# Altium PCB Venato_PCB_v2.PcbDoc (part 1 of 2) (continued)
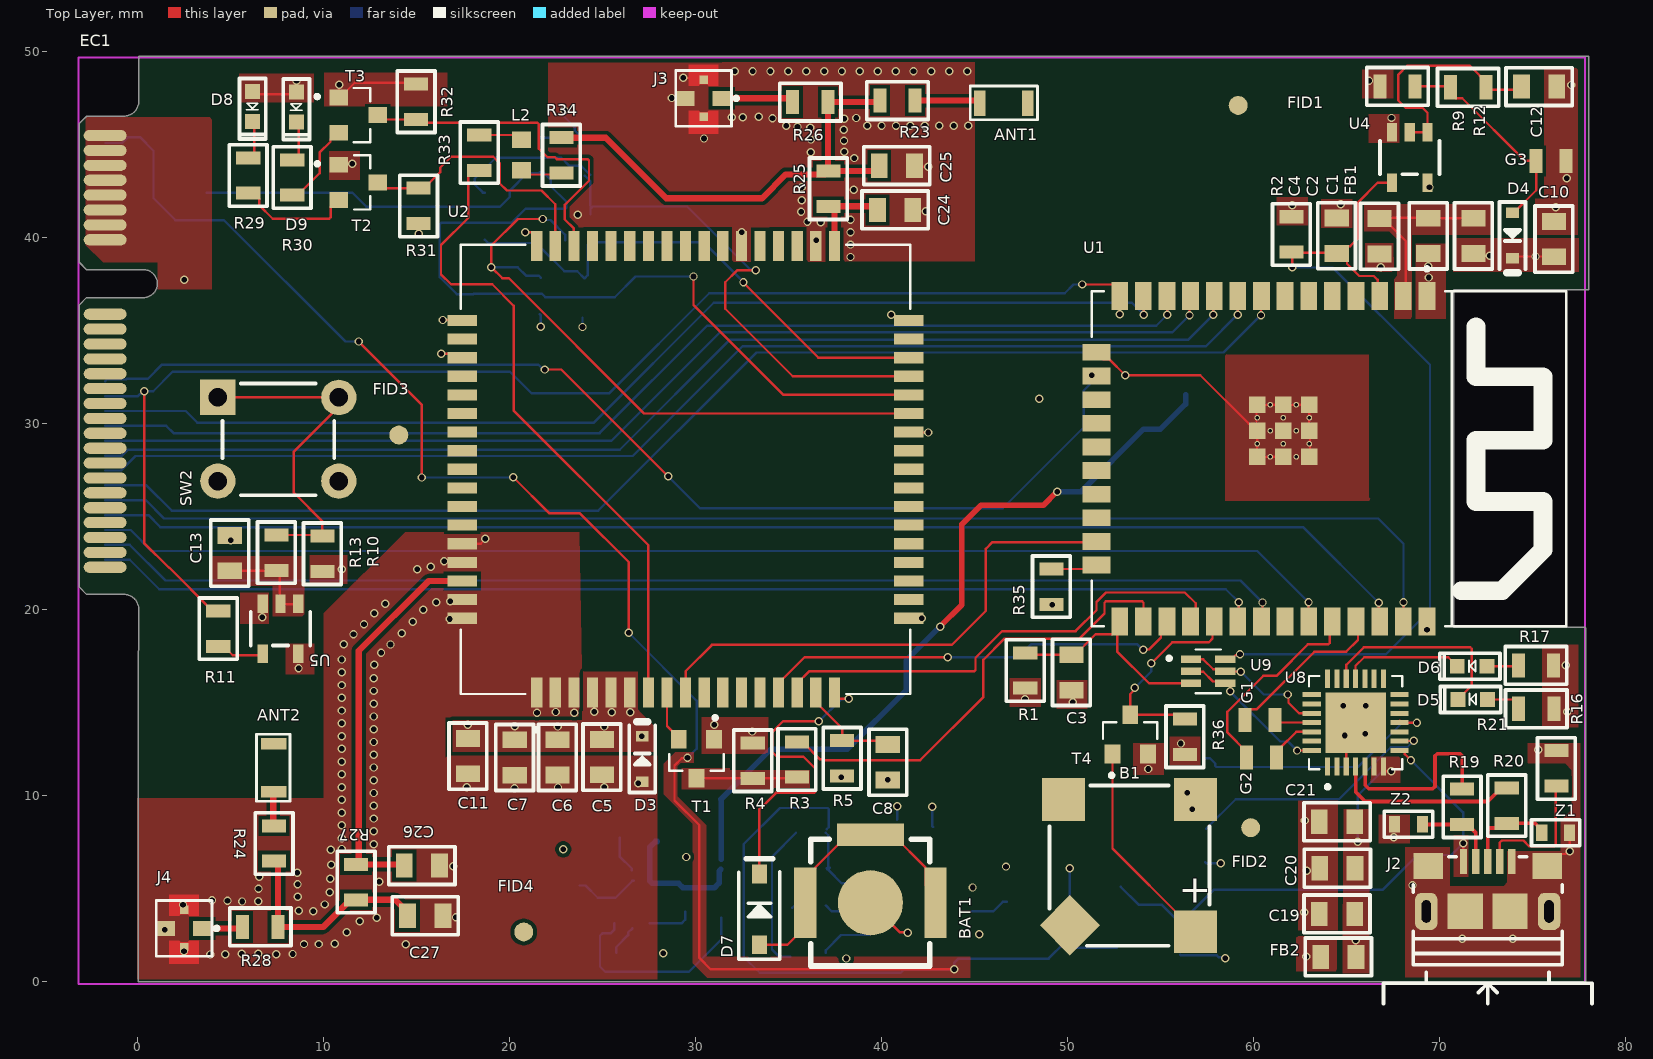
[diagram p0: Top Layer view]
## Part data (continued)
R21 R23 R24 R25 R26 R27 R28 R34: library part RC0805JR-070RL, "RC Series 0805 0.125 W 0 Ohm Jumper Surface Mount Thick Film Chip Resistor", Case Code (Imperial)=0805, Case Code (Metric)=2012, Manufacturer=Yageo, Max Operating Temperature=155°C, Max Power Dissipation=125mW, Min Operating Temperature=-55°C, Resistance=0mR, Resistance Tolerance=5%, Resistor Type="Thick Film", Supplier Part Number 1=311-0.0ARCT-ND, Temperature Coefficient=200ppm/°C, Voltage Rating=150V, Case/Package=0805, Category="Chip SMD Resistors", ComponentLink1Description=https://datasheet.ciiva.com/7941/1738694-7941861.pdf?src-supplier=Element14, ComponentLink1URL=https://datasheet.ciiva.com/7941/1738694-7941861.pdf?src-supplier=Element14, ComponentLink2Description=https://datasheet.ciiva.com/11819/0900766b8106beab-11819430.pdf?src-supplier=RSComponents, ComponentLink2URL=https://datasheet.ciiva.com/11819/0900766b8106beab-11819430.pdf?src-supplier=RSComponents, ComponentLink3Description=https://datasheet.ciiva.com/7941/1738694-7941862.pdf?src-supplier=Element14, ComponentLink3URL=https://datasheet.ciiva.com/7941/1738694-7941862.pdf?src-supplier=Element14, ComponentLink4Description=https://datasheet.ciiva.com/7941/1738694-7941863.pdf?src-supplier=Element14, ComponentLink4URL=https://datasheet.ciiva.com/7941/1738694-7941863.pdf?src-supplier=Element14, ComponentLink5Description=https://datasheet.ciiva.com/15190/getdatasheetpartid-330685-15190028.pdf?src-supplier=Verical, ComponentLink5URL=https://datasheet.ciiva.com/15190/getdatasheetpartid-330685-15190028.pdf?src-supplier=Verical, Construction=Rectangular, Contact Plating=Tin,Matte, Depth=1.25mm, Features="Moisture Resistant", Height=0.5mm, Lead Free="Lead Free", Length=2mm, Manufacturer Part Number=RC0805JR-070RL, Military Standard=Not, Number of Pins=2, Number of Terminations=2, Packaging="Tape and Reel", Power Rating=125mW, Pricing 1="1=0.10000, 10=0.03100, 25=0.02240, 50=0.01720, 100=0.01260, 250=0.00964, 500=0.00770, 1000=0.00567 (USD)", Radiation Hardening=No, REACH SVHC=Unknown, RoHS=Yes, RoHS Compliant=Yes, Series=RC, Size Code=0805, Stock 1=3244701, Supplier 1=Digi-Key, Technology="THICK FILM", Termination=SMD/SMT, Tolerance=5%, Voltage Rating (DC)=150V, Width=1.25mm
R33: library part RC0805FR-0710RL, "Res General Purpose Thick Film 0805 10 Ohm 1% 1/8W ±200ppm/°C Molded SMD Paper T/R", Case Code (Imperial)=0805, Case Code (Metric)=2012, Manufacturer=Yageo, Max Operating Temperature=155°C, Max Power Dissipation=125mW, Min Operating Temperature=-55°C, Package Quantity=1, Resistance=10R, Resistance Tolerance=1%, Resistor Type="Thick Film", Temperature Coefficient=200ppm/°C, Voltage Rating=150V, Case/Package=0805, Category="Chip SMD Resistors", ComponentLink1Description=https://datasheet.ciiva.com/11809/0900766b8106beab-11809370.pdf?src-supplier=RSComponents, ComponentLink1URL=https://datasheet.ciiva.com/11809/0900766b8106beab-11809370.pdf?src-supplier=RSComponents, ComponentLink2Description=https://datasheet.ciiva.com/46412/444164-46412859.pdf?src-supplier=Element14, ComponentLink2URL=https://datasheet.ciiva.com/46412/444164-46412859.pdf?src-supplier=Element14, ComponentLink3Description=https://datasheet.ciiva.com/46447/444164-46447565.pdf?src-supplier=Element14, ComponentLink3URL=https://datasheet.ciiva.com/46447/444164-46447565.pdf?src-supplier=Element14, ComponentLink4Description=https://datasheet.ciiva.com/2457/pyu-r-int-thick-7-2457099.pdf?src-supplier=Digi-Key, ComponentLink4URL=https://datasheet.ciiva.com/2457/pyu-r-int-thick-7-2457099.pdf?src-supplier=Digi-Key, ComponentLink5Description=https://datasheet.ciiva.com/2457/pyu-r-int-thick-7-2457100.pdf?src-supplier=Digi-Key, ComponentLink5URL=https://datasheet.ciiva.com/2457/pyu-r-int-thick-7-2457100.pdf?src-supplier=Digi-Key, ComponentLink6Description=https://datasheet.ciiva.com/2457/pyu-r-int-thick-7-2457098.pdf?src-supplier=Digi-Key, ComponentLink6URL=https://datasheet.ciiva.com/2457/pyu-r-int-thick-7-2457098.pdf?src-supplier=Digi-Key, ComponentLink7Description=https://datasheet.ciiva.com/12555/rc0805-257173-12555112.pdf?src-supplier=Mouser, ComponentLink7URL=https://datasheet.ciiva.com/12555/rc0805-257173-12555112.pdf?src-supplier=Mouser, ComponentLink8Description=https://datasheet.ciiva.com/7941/444164-7941688.pdf?src-supplier=Element14, ComponentLink8URL=https://datasheet.ciiva.com/7941/444164-7941688.pdf?src-supplier=Element14, ComponentLink9Description=https://datasheet.ciiva.com/7941/444164-7941687.pdf?src-supplier=Element14, ComponentLink9URL=https://datasheet.ciiva.com/7941/444164-7941687.pdf?src-supplier=Element14, Construction=Rectangular, Depth=1.25mm, Features="Moisture Resistant", Height=0.5mm, Lead Free="Lead Free", Length=2mm, Manufacturer Part Number=RC0805FR-0710RL, Number of Pins=2, Number of Terminations=2, Packaging="Tape and Reel", Power Rating=125mW, Pricing 1="5000=0.01200 (GBP)", Reach SVHC Compliant=Yes, RoHS=Yes, RoHS Compliant=Yes, Series=RC, Size Code=0805, Stock 1=150000, Supplier 1=RSComponents, Technology="THICK FILM", Termination=SMD/SMT, Tolerance=1%, Voltage Rating (DC)=150V, Width=1.25mm
SW2: "Switch Tactile OFF (ON) SPST Round Button PC Pins 0.05A 24VDC 1.57N Thru-Hole Loose", Actuator Color=Black, Contact Current Rating=50mA, Contact Resistance=100mR, Manufacturer="TE Connectivity Alcoswitch", Max Operating Temperature=85°C, Max Voltage Rating (DC)=24V, Min Operating Temperature=-35°C, Operating Force=160gf, Package Quantity=750, Supplier Part Number 1=450-1650-ND, Actuator Length=0.055inch, Actuator Material=PBT, Actuator Type=Standard, Category="Pushbutton Switches", ComponentLink1Description=https://datasheet.ciiva.com/30199/1825910-6rqpn1825910-6-30199520.pdf?src-supplier=Onlinecomponents.com, ComponentLink1URL=https://datasheet.ciiva.com/30199/1825910-6rqpn1825910-6-30199520.pdf?src-supplier=Onlinecomponents.com, ComponentLink2Description=https://datasheet.ciiva.com/15184/getdatasheetpartid-395915-15184509.pdf?src-supplier=Verical, ComponentLink2URL=https://datasheet.ciiva.com/15184/getdatasheetpartid-395915-15184509.pdf?src-supplier=Verical, Contact Material="Copper Alloy", Contact Plating=Silver, Electrical Life=100000Cycles, ELV=Compliant, Illumination Type=Non-Illuminated,Illuminated, Lead Free="Lead Free", Length=5.99mm, Manufacturer Part Number=1825910-6, Max Current Rating=50mA, Mechanical Life=100000Cycles, Mount="Through Hole", Orientation=Straight, Packaging="Loose Piece", Pricing 1="1=0.12000, 10=0.11300, 25=0.10720, 100=0.09750, 250=0.09164, 500=0.08382, 1000=0.07018, 2500=0.06823, 5000=0.06433 (USD)", REACH SVHC=Unknown, RoHS=Yes, RoHS Compliant=Yes, Series=FSMJ, Stock 1=147083, Supplier 1=Digi-Key, Switch Function=Off-Mom, Switch Travel=0.25mm, Termination="PC Pins", Throw Configuration=SPST, Type=Switch
T1 T2 T3 T4: "Transistor Mosfet N-ch 60V 0.3A 3-PIN SOT-23 T/r"
U1: "2.4 GHz WiFi + Bluetooth ® + Bluetooth LE module / Built around ESP32 series of SoCs, Xtensa® dualcore 32bit LX6 microprocessor / 4/8/16 MB flash available / 26 GPIOs, rich set of peripherals / Onboard PCB antenna or external antenna connector", Manufacturer="Espressif Systems", Supplier Part Number 1=1965-ESP32-WROOM-32E-N8CT-ND, Category=Uncategorized, Manufacturer Part Number=ESP32-WROOM-32E-N8, Pricing 1="1=3.30000 (USD)", RoHS=No, Stock 1=16701, Supplier 1=Digi-Key
U2: "GSM/GPRS + GPS + Bluetooth Module SIM808 S2-1060C-Z1F05 SIMCOM; 850/900/1800/1900MHz"
U3: "Res Thick Film 0805 1.2K Ohm 1% 0.125W(1/8W) ±100ppm/C Pad SMD T/R", Case Code (Imperial)=0805, Case Code (Metric)=2012, Manufacturer=TPOWER, Max Operating Temperature=155°C, Max Power Dissipation=125mW, Min Operating Temperature=-55°C, Package Quantity=1, Resistance=1.2kR, Resistance Tolerance=1%, Resistor Type="Thick Film", Supplier Part Number 1=C382139, Temperature Coefficient=100ppm/°C, Voltage Rating=150V, Case/Package=0805, Category="Chip SMD Resistors", ComponentLink1Description=https://datasheet.ciiva.com/11808/0900766b8106beab-11808865.pdf?src-supplier=RSComponents, ComponentLink1URL=https://datasheet.ciiva.com/11808/0900766b8106beab-11808865.pdf?src-supplier=RSComponents, ComponentLink2Description=https://datasheet.ciiva.com/2457/pyu-r-int-thick-7-2457192.pdf?src-supplier=Digi-Key, ComponentLink2URL=https://datasheet.ciiva.com/2457/pyu-r-int-thick-7-2457192.pdf?src-supplier=Digi-Key, ComponentLink3Description=https://datasheet.ciiva.com/2457/pyu-r-int-thick-7-2457193.pdf?src-supplier=Digi-Key, ComponentLink3URL=https://datasheet.ciiva.com/2457/pyu-r-int-thick-7-2457193.pdf?src-supplier=Digi-Key, ComponentLink4Description=https://datasheet.ciiva.com/2457/pyu-r-int-thick-7-2457191.pdf?src-supplier=Digi-Key, ComponentLink4URL=https://datasheet.ciiva.com/2457/pyu-r-int-thick-7-2457191.pdf?src-supplier=Digi-Key, ComponentLink5Description=https://datasheet.ciiva.com/12656/rc0805-12656886.pdf?src-supplier=Mouser, ComponentLink5URL=https://datasheet.ciiva.com/12656/rc0805-12656886.pdf?src-supplier=Mouser, ComponentLink6Description=https://datasheet.ciiva.com/15189/getdatasheetpartid-348582-15189915.pdf?src-supplier=Verical, ComponentLink6URL=https://datasheet.ciiva.com/15189/getdatasheetpartid-348582-15189915.pdf?src-supplier=Verical, Construction=Rectangular, Depth=1.25mm, Features="Moisture Resistant", Height=0.024inch, Lead Free="Lead Free", Length=0.079inch, Manufacturer Part Number=TP4056, Military Standard=Not, Number of Terminations=2, Packaging="Tape and Reel", Power Rating=125mW, Pricing 1="5=0.12500, 50=0.10080, 150=0.08880, 500=0.07970, 2500=0.07250, 4000=0.06890 (USD)", Pricing 2="1=0.10000, 10=0.02900, 50=0.02900, 100=0.01400, 1000=0.00600, 10000=0.00300 (USD)", RoHS=No, RoHS Compliant=Yes, Series=RC, Stock 1=30410, Stock 2=795, Supplier 1=LCSC, Technology="THICK FILM", Termination=SMD/SMT, Tolerance=1%, Width=0.049inch, Working Voltage=150V
U4 U5: "Single 2-input, 2-V to 5.5-V AND gate with open-drain outputs 5-SOT-23 -55 to 125", Case/Package=SOT-23, Low Level Output Current=8mA, Manufacturer="Texas Instruments", Max Operating Temperature=125°C, Max Supply Voltage=5.5V, Min Operating Temperature=-55°C, Min Supply Voltage=2V, Output Current=25mA, Package Quantity=3000, Quiescent Current=1uA, Supplier Part Number 1=296-29202-1-ND, Category="Logic Gates", ComponentLink1Description=https://datasheet.ciiva.com/1864/sn74ahc1g09-1864410.pdf?src-supplier=Digi-Key, ComponentLink1URL=https://datasheet.ciiva.com/1864/sn74ahc1g09-1864410.pdf?src-supplier=Digi-Key, ComponentLink2Description=https://datasheet.ciiva.com/1864/sn74ahc1g09-1864411.pdf?src-supplier=Digi-Key, ComponentLink2URL=https://datasheet.ciiva.com/1864/sn74ahc1g09-1864411.pdf?src-supplier=Digi-Key, ComponentLink3Description=https://datasheet.ciiva.com/1864/sn74ahc1g09-1864412.pdf?src-supplier=Digi-Key, ComponentLink3URL=https://datasheet.ciiva.com/1864/sn74ahc1g09-1864412.pdf?src-supplier=Digi-Key, Contact Plating=Tin,Matte, Lead Free="Lead Free", Logic Function="AND GATE", Manufacturer Part Number=SN74AHC1G09DBVR, Mount="Surface Mount", Number of Bits=1, Number of Circuits=1, Number of Elements=1, Number of Gates=1, Number of Inputs=2, Number of Outputs=1, Number of Pins=5, Output Voltage=5.5V, Packaging="Tape and Reel", Pricing 1="1=0.48000, 10=0.35600, 25=0.31160, 100=0.20170, 250=0.16696, 500=0.13356, 1000=0.10240 (USD)", Propagation Delay=7.5ns, Radiation Hardening=No, REACH SVHC="No SVHC", RoHS=Yes, RoHS Compliant=Yes, Series=74AHC, Supplier 1=Digi-Key, Technology=CMOS
U6: "SOT-23-6L Battery Management ICs ROHS", Manufacturer=TF, Supplier Part Number 1=C436931, Category=Uncategorized, Manufacturer Part Number=DW01A, Pricing 1="20=0.03790, 200=0.03100, 600=0.02760, 3000=0.02500, 9000=0.02290, 21000=0.02190 (USD)", RoHS=No, Stock 1=1180, Supplier 1=LCSC
U7: "输入电容(Ciss@Vds)：466pF 10V 反向传输电容(Crss@Vds)：58pF 10V 功率(Pd)：1.5W 阈值电压(Vgs(th)@Id)：700mV 250uA 导通电阻(RDS(on)@Vgs,Id)：19.5mΩ 4.5V,3A 栅极电荷(Qg@Vgs)：5.7nC 10V 漏源电压(Vdss)：20V 连续漏极电流(Id)：6A 工作温度(最大值)：+150℃ (Tj) 工作温度(最小值)：-55℃ (Tj) 类型：2个N沟道", Manufacturer="Tech Public", Supplier Part Number 1=C2830320, Manufacturer Part Number=FS8205A, Pricing 1="10=0.06550, 100=0.05310, 300=0.04690, 3000=0.04230, 6000=0.03860, 9000=0.03670 (USD)", RoHS=No, Stock 1=20790, Supplier 1=LCSC
U8: "Full Speed USB to UART Bridge USB 2.0 3.3V T/R Automotive 28-Pin QFN EP", Manufacturer="Silicon Labs", Supplier Part Number 1=634-CP2102NA02QFN28R, Category="USB Interface ICs", Manufacturer Part Number=CP2102N-A02-GQFN28R, Pricing 1="1=2.27000, 10=2.27000, 50=2.27000, 100=2.27000, 1000=2.27000, 10000=2.27000 (USD)", RoHS=Yes, Supplier 1=Mouser
U9: "TRANS 2NPN PREBIAS 0.15W UMT6", Case/Package=SOT-363, Collector Base Voltage (VCBO)=50V, Collector-emitter Voltage-Max=300mV, Continuous Collector Current=100mA, Emitter Base Voltage (VEBO)=5V, Manufacturer=Rohm, Max Operating Temperature=150°C, Max Power Dissipation=150mW, Min Operating Temperature=-55°C, Package Quantity=3000, Supplier Part Number 1=UMH3NTNCT-ND, Transition Frequency=250MHz, Category=BJTs, Collector Emitter Breakdown Voltage=50V, Collector Emitter Voltage (VCEO)=50V, ComponentLink1Description=https://datasheet.ciiva.com/22711/1645293-22711825.pdf?src-supplier=Element14, ComponentLink1URL=https://datasheet.ciiva.com/22711/1645293-22711825.pdf?src-supplier=Element14, ComponentLink2Description=https://datasheet.ciiva.com/29322/140593-da-01-en-transistor-umh3-ntn-sot-363-29322757.pdf?src-supplier=Conrad, ComponentLink2URL=https://datasheet.ciiva.com/29322/140593-da-01-en-transistor-umh3-ntn-sot-363-29322757.pdf?src-supplier=Conrad, ComponentLink3Description=https://datasheet.ciiva.com/1193/1645293-1193640.pdf?src-supplier=Element14, ComponentLink3URL=https://datasheet.ciiva.com/1193/1645293-1193640.pdf?src-supplier=Element14, ComponentLink4Description=https://datasheet.ciiva.com/969/umh3n-969834.pdf?src-supplier=Digi-Key, ComponentLink4URL=https://datasheet.ciiva.com/969/umh3n-969834.pdf?src-supplier=Digi-Key, ComponentLink5Description=https://datasheet.ciiva.com/969/umh3n-969835.pdf?src-supplier=Digi-Key, ComponentLink5URL=https://datasheet.ciiva.com/969/umh3n-969835.pdf?src-supplier=Digi-Key, ComponentLink6Description=https://datasheet.ciiva.com/969/umh3n-969833.pdf?src-supplier=Digi-Key, ComponentLink6URL=https://datasheet.ciiva.com/969/umh3n-969833.pdf?src-supplier=Digi-Key, Current Rating=100mA, Element Configuration=Dual, hFE Min=100, Lead Free="Lead Free", Manufacturer Part Number=UMH3NTN, Max Breakdown Voltage=50V, Max Collector Current=100mA, Max Output Current=100mA, Mount="Surface Mount", Number of Pins=6, Operating Supply Voltage=50V, Packaging="Tape and Reel", Polarity=NPN, Power Dissipation=150mW, Pricing 1="1=0.48000, 10=0.36200, 100=0.22560, 500=0.15434, 1000=0.11872 (USD)", Radiation Hardening=No, Reach SVHC Compliant=Yes, RoHS=Yes, RoHS Compliant=Yes, Series=-, Stock 1=14510, Supplier 1=Digi-Key, Voltage Rating (DC)=50V
U10: "SOT-363 ESD Protection Devices ROHS", Manufacturer=JESTEK, Supplier Part Number 1=C2960985, Category=Uncategorized, Manufacturer Part Number=ES36NC5M, Pricing 1="10=0.03520, 100=0.02820, 300=0.02470, 3000=0.02200, 6000=0.01990, 9000=0.01890 (USD)", RoHS=No, Stock 1=92260, Supplier 1=LCSC
Z1 Z2: "ESD Suppressor Multilayer Varistor 5V Automotive 2-Pin Case 0603(1608Metric) T/R", Capacitance=0.5pF, Case Code (Imperial)=0603, Case Code (Metric)=1608, Clamping Voltage=20V, Current Rating=50nA, Manufacturer=Bourns, Max Operating Temperature=85°C, Max Voltage Rating (DC)=5V, Min Operating Temperature=-40°C, Package Quantity=1, Supplier Part Number 1=CG0603MLC-05ETR-ND, Voltage Rating (AC)=8V, Case/Package=0603, Category=Varistors, ComponentLink1Description=https://datasheet.ciiva.com/27747/1163231-27747629.pdf?src-supplier=Jameco, ComponentLink1URL=https://datasheet.ciiva.com/27747/1163231-27747629.pdf?src-supplier=Jameco, ComponentLink2Description=https://datasheet.ciiva.com/30070/mlc-30070503.pdf?src-supplier=Onlinecomponents.com, ComponentLink2URL=https://datasheet.ciiva.com/30070/mlc-30070503.pdf?src-supplier=Onlinecomponents.com, ComponentLink3Description=https://datasheet.ciiva.com/6991/mlc-6991832.pdf?src-supplier=Digi-Key, ComponentLink3URL=https://datasheet.ciiva.com/6991/mlc-6991832.pdf?src-supplier=Digi-Key, ComponentLink4Description=https://datasheet.ciiva.com/6991/mlc-6991834.pdf?src-supplier=Digi-Key, ComponentLink4URL=https://datasheet.ciiva.com/6991/mlc-6991834.pdf?src-supplier=Digi-Key, ComponentLink5Description=https://datasheet.ciiva.com/6991/mlc-6991836.pdf?src-supplier=Digi-Key, ComponentLink5URL=https://datasheet.ciiva.com/6991/mlc-6991836.pdf?src-supplier=Digi-Key, ComponentLink6Description=https://datasheet.ciiva.com/1278/1785244-1278701.pdf?src-supplier=Element14, ComponentLink6URL=https://datasheet.ciiva.com/1278/1785244-1278701.pdf?src-supplier=Element14, ComponentLink7Description=https://datasheet.ciiva.com/22696/1785244-22696318.pdf?src-supplier=Element14, ComponentLink7URL=https://datasheet.ciiva.com/22696/1785244-22696318.pdf?src-supplier=Element14, ComponentLink8Description=https://datasheet.ciiva.com/25958/mlc-25958222.pdf?src-supplier=Avnet+Europe, ComponentLink8URL=https://datasheet.ciiva.com/25958/mlc-25958222.pdf?src-supplier=Avnet+Europe, ComponentLink9Description=https://datasheet.ciiva.com/8084/mlc-8084047.pdf?src-supplier=Avnet, ComponentLink9URL=https://datasheet.ciiva.com/8084/mlc-8084047.pdf?src-supplier=Avnet, Contact Plating=Tin, Depth=0.8mm, Element Configuration=Single, Leakage Current=50nA, Length=1.6mm, Manufacturer Part Number=CG0603MLC-05E, Number of Channels=1, Number of Circuits=1, Number of Pins=2, Operating Supply Voltage=5V, Packaging="Tape and Reel", Pricing 1="5000=0.08840, 10000=0.08060, 25000=0.07540, 50000=0.06916 (USD)", Radiation Hardening=No, REACH SVHC="No SVHC", RoHS=Yes, RoHS Compliant=Yes, Series=MLC, Stock 1=69840, Supplier 1=Digi-Key, Termination=SMD/SMT, Thickness=0.8mm, Turn-On Delay Time=1ns, Voltage=5V, Voltage Rating (DC)=5V, Width=0.8mm, Working Voltage=5V

## Via types
v1: diameter 0.45, hole 0.3, Top Layer to Bottom Layer, 277 vias

## Nets (pads, with @x,y where several pads share a name; then routed paths per layer and width w, separated by ;. In a path a pad name is that pad's centre, name@x,y a point inside that pad or via, vN(x,y) a via of type N, cw(c..) or ccw(c..) an arc to the next point about the centre after c; other vN are vias at no path point)
+3.7V_B: BA0017.1 C5.2 C6.2 C7.2 C9.2 C10.2 C11.2 D3.1 D4.1 D8.2 D9.2 FB1.1 FB2.1 R1.1 R2.1 R5.1 R9.2 R10.2 R14.2 R16.2 R17.2 R18.2 T4.2 U2.4 U2.5 U2.6 U3.5 U4.5 U5.5 | length 7.1
  Top Layer w0.127: D8.2@6.192,47.836 6.181,47.836 6.138,47.792 6.231,47.699 D9.2@8.582,47.699 ; v1@8.524,48.413 v1@8.553,48.384 ; D9.2@8.544,47.81 8.553,47.818 v1@8.553,48.384 ; v1(8.553,48.408) v1@8.553,48.384 ; D4.1@73.901,38.885 73.991,38.975 76.103,38.975 C10.2@76.125,38.954
  Bottom Layer w0.127: C9.2@40.826,8.701 40.837,8.713 v1(40.837,9.43) ; R18.2@57.374,6.428 57.446,6.356 58.188,6.356 v1@58.247,6.297
  other v1: 38.1,1.245 62.811,1.35 58.218,6.356 22.885,7.112 37.823,10.993 54.331,11.43 27.111,13.191 20.287,13.722 22.585,13.712 25.083,13.712 17.749,13.812 25.503,14.482 26.482,14.482 24.554,14.512 76.84,14.508 47.701,15.189 8.661,16.84 76.758,16.997 10.973,22.174 48.468,31.32 75.139,38.975 72.683,39.007 62.058,41.732 69.44,42.686 66.192,48.412
+3.7V_U1: C1.2 C2.2 FB1.2 U1.2 | length 9.6
  Top Layer w0.127: C2.2@66.755,41.014 66.955,41.014 68.161,39.808 68.161,37.342 U1.2@68.03,37.211 ; C2.2@66.869,41.058 69.349,41.058 C1.2@69.373,41.034 FB1.2@71.798,41.034 71.813,41.034 FB1.2@71.877,41.098
+3.7V_U8: C19.2 C20.2 C21.2 FB2.2 U8.6 U8.7 | length 6.8
  Top Layer w0.127: C19.2@65.343,3.925 C19.2@65.443,4.025 ; C21.2@65.423,8.597 C21.2@65.768,8.251 ; FB2.2@65.481,1.556 v1(65.481,2.235) ; U8.7@66.968,11.566 66.968,11.375 67.039,11.303 v1(67.386,11.303)
  Bottom Layer w0.127: v1(65.582,7.515) 65.582,10.011 66.874,11.303 v1(67.386,11.303)
+5V: C23.2 D1.2 D2.2 EC1.2 L1.2 U3.4 U3.8 | length 118.7
  Top Layer w0.127: v1(11.889,34.406) 15.274,31.021 v1(15.274,27.094) ; v1(20.202,27.111) 22.148,25.165 23.79,25.165 26.405,22.55 v1(26.405,18.75) ; v1(29.565,12.031) 29.539,12.005 29.258,12.005 28.869,11.616 28.869,9.741 30.202,8.408 30.202,1.273 30.806,0.669 43.883,0.669 v1(43.891,0.669)
  Bottom Layer w0.127: EC1.2@-1.737,45.073 -0.824,45.073 -0.509,45.388 0.137,45.388 0.867,44.658 0.867,42.102 2.043,40.926 4.657,40.926 11.176,34.406 v1(11.889,34.406) ; v1(15.274,27.094) 20.037,27.094 20.058,27.073 20.163,27.073 v1(20.202,27.111) ; v1(26.405,18.75) 30.054,15.101 30.054,12.52 v1(29.565,12.031) ; D1.2@36.997,8.003 37.129,7.87 37.129,6.171 D2.2@37.046,6.088 37.083,6.052 D2.2@37.14,6.052 ; D1.2@37.051,8.198 37.156,8.303 37.156,9.263 37.081,9.338 34.53,9.338 32.58,7.388 32.58,1.342 33.444,0.478 41.039,0.478 41.23,0.669 v1(43.891,0.669) 43.891,1.003 44.128,1.24 48.971,1.24 49.815,2.084 C23.2@50.006,2.084 ; D2.2@37.14,5.994 37.848,5.286 U3.8@38.416,5.286 ; D2.2@37.14,6.19 D2.2@37.14,6.052 ; D2.2@37.217,6.129 D2.2@37.14,6.052 ; C23.2@50.033,2.101 50.315,1.819 L1.2@52.624,1.819 ; U3.8@38.416,5.286 38.775,5.286 39.012,5.05 38.653,5.05 U3.8@38.416,5.286
+5V_USB: C22.2 J2.1 L1.1 U8.8 | length 28
  Top Layer w0.127: U8.8@68.112,12.316 68.112,12.233 v1(68.444,11.9) ; v1(71.247,7.442) 71.247,6.473 J2.1@71.269,6.451
  Bottom Layer w0.127: L1.1@52.842,5.105 53.803,4.144 55.046,4.144 55.852,3.339 C22.2@55.955,3.339 ; C22.2@55.955,3.288 56.201,3.288 57.863,4.95 66.938,4.95 68.8,6.811 70.616,6.811 v1(71.247,7.442) 71.247,9.098 v1(68.444,11.9)
-VBAT: BA0017.2 C14.1 U6.6 U7.3 | length 48
  Top Layer w0.3: v1(43.141,19.085) 44.305,20.249 44.305,24.573 45.336,25.604 48.696,25.604 v1(49.428,26.336)
  Bottom Layer w0.3: C14.1@27.932,7.535 27.839,7.535 27.536,7.232 U6.6@27.536,5.733 27.536,5.408 27.661,5.283 29.086,5.283 29.319,5.051 31.012,5.051 31.264,5.303 31.264,5.951 U7.3@31.357,6.044 ; 31.366,9.804 34.06,12.498 38.151,12.498 41.311,15.658 41.311,17.255 v1(43.141,19.085) ; U7.3@31.386,6.577 31.386,9.729 ; v1(49.428,26.336) 50.725,26.336 54.081,29.692 54.981,29.692 56.331,31.042 BA0017.2@56.331,31.542
BTN_RSTn: D4.2 G3.2 R9.1 R12.1 | length 11.7
  Top Layer w0.127: R9.1@68.671,48.116 70.362,48.116 R12.1@70.453,48.025 ; R12.1@70.569,48.065 70.569,47.765 70.855,47.478 71.197,47.478 74.547,44.128 G3.2@75.316,44.128 ; D4.2@74.031,41.223 74.031,41.39 75.176,42.535 G3.2@75.176,44.114
CON_USB_N: J2.2 R19.1 Z2.2 | length 4.4
  Top Layer w0.194: Z2.2@69.131,8.484 69.17,8.445 R19.1@71.196,8.445 ; R19.1@71.316,8.48 71.461,8.48 71.919,8.022 J2.2@71.919,6.451
CON_USB_P: J2.3 R20.1 Z1.2 | length 4.4
  Top Layer w0.194: J2.3@72.569,6.451 72.569,8.146 72.683,8.26 73.041,8.26 73.07,8.289 R20.1@73.07,8.403 ; R20.1@73.593,8.513 75.112,8.513 75.331,8.293 Z1.2@75.331,8.052
CTS: U8.23
DCD: U8.1
DSR: U8.27
DTR: U8.28 U9.2 U9.4 | length 8
  Top Layer w0.127: U9.2@56.626,16.68 56.645,16.661 57.287,16.661 57.811,16.136 58.076,16.136 U9.4@58.175,16.038 ; U9.4@58.667,16.026 58.727,15.965 v1(58.727,15.599) ; v1(62.324,12.422) 62.326,12.424 63.106,12.424 U8.28@63.108,12.426
  Bottom Layer w0.127: v1(58.727,15.599) 61.416,12.911 61.835,12.911 v1(62.324,12.422)
ESP32_BUF_RSTn: C12.1 R12.2 U4.1 U4.2 | length 12.6
  Top Layer w0.127: U4.2@68.38,45.644 U4.1@69.33,45.644 69.33,46.701 69.063,46.968 68.156,46.968 67.756,47.368 67.756,48.728 68.25,49.221 71.612,49.221 72.612,48.221 R12.2@72.623,48.221 ; R12.2@72.469,48.065 72.606,47.928 C12.1@74.356,47.928